# Altium PCB STC12CH340E_VCUT.PcbDoc (part 2 of 2)
Units mm, origin at the board's own origin, x right, y up, seen from the top; angles counter-clockwise.
Board outline 85.2 x 75.43 mm, 2 copper layers (Top Layer, Bottom Layer); 152 components, 56 nets, 712 pads, 192 vias.
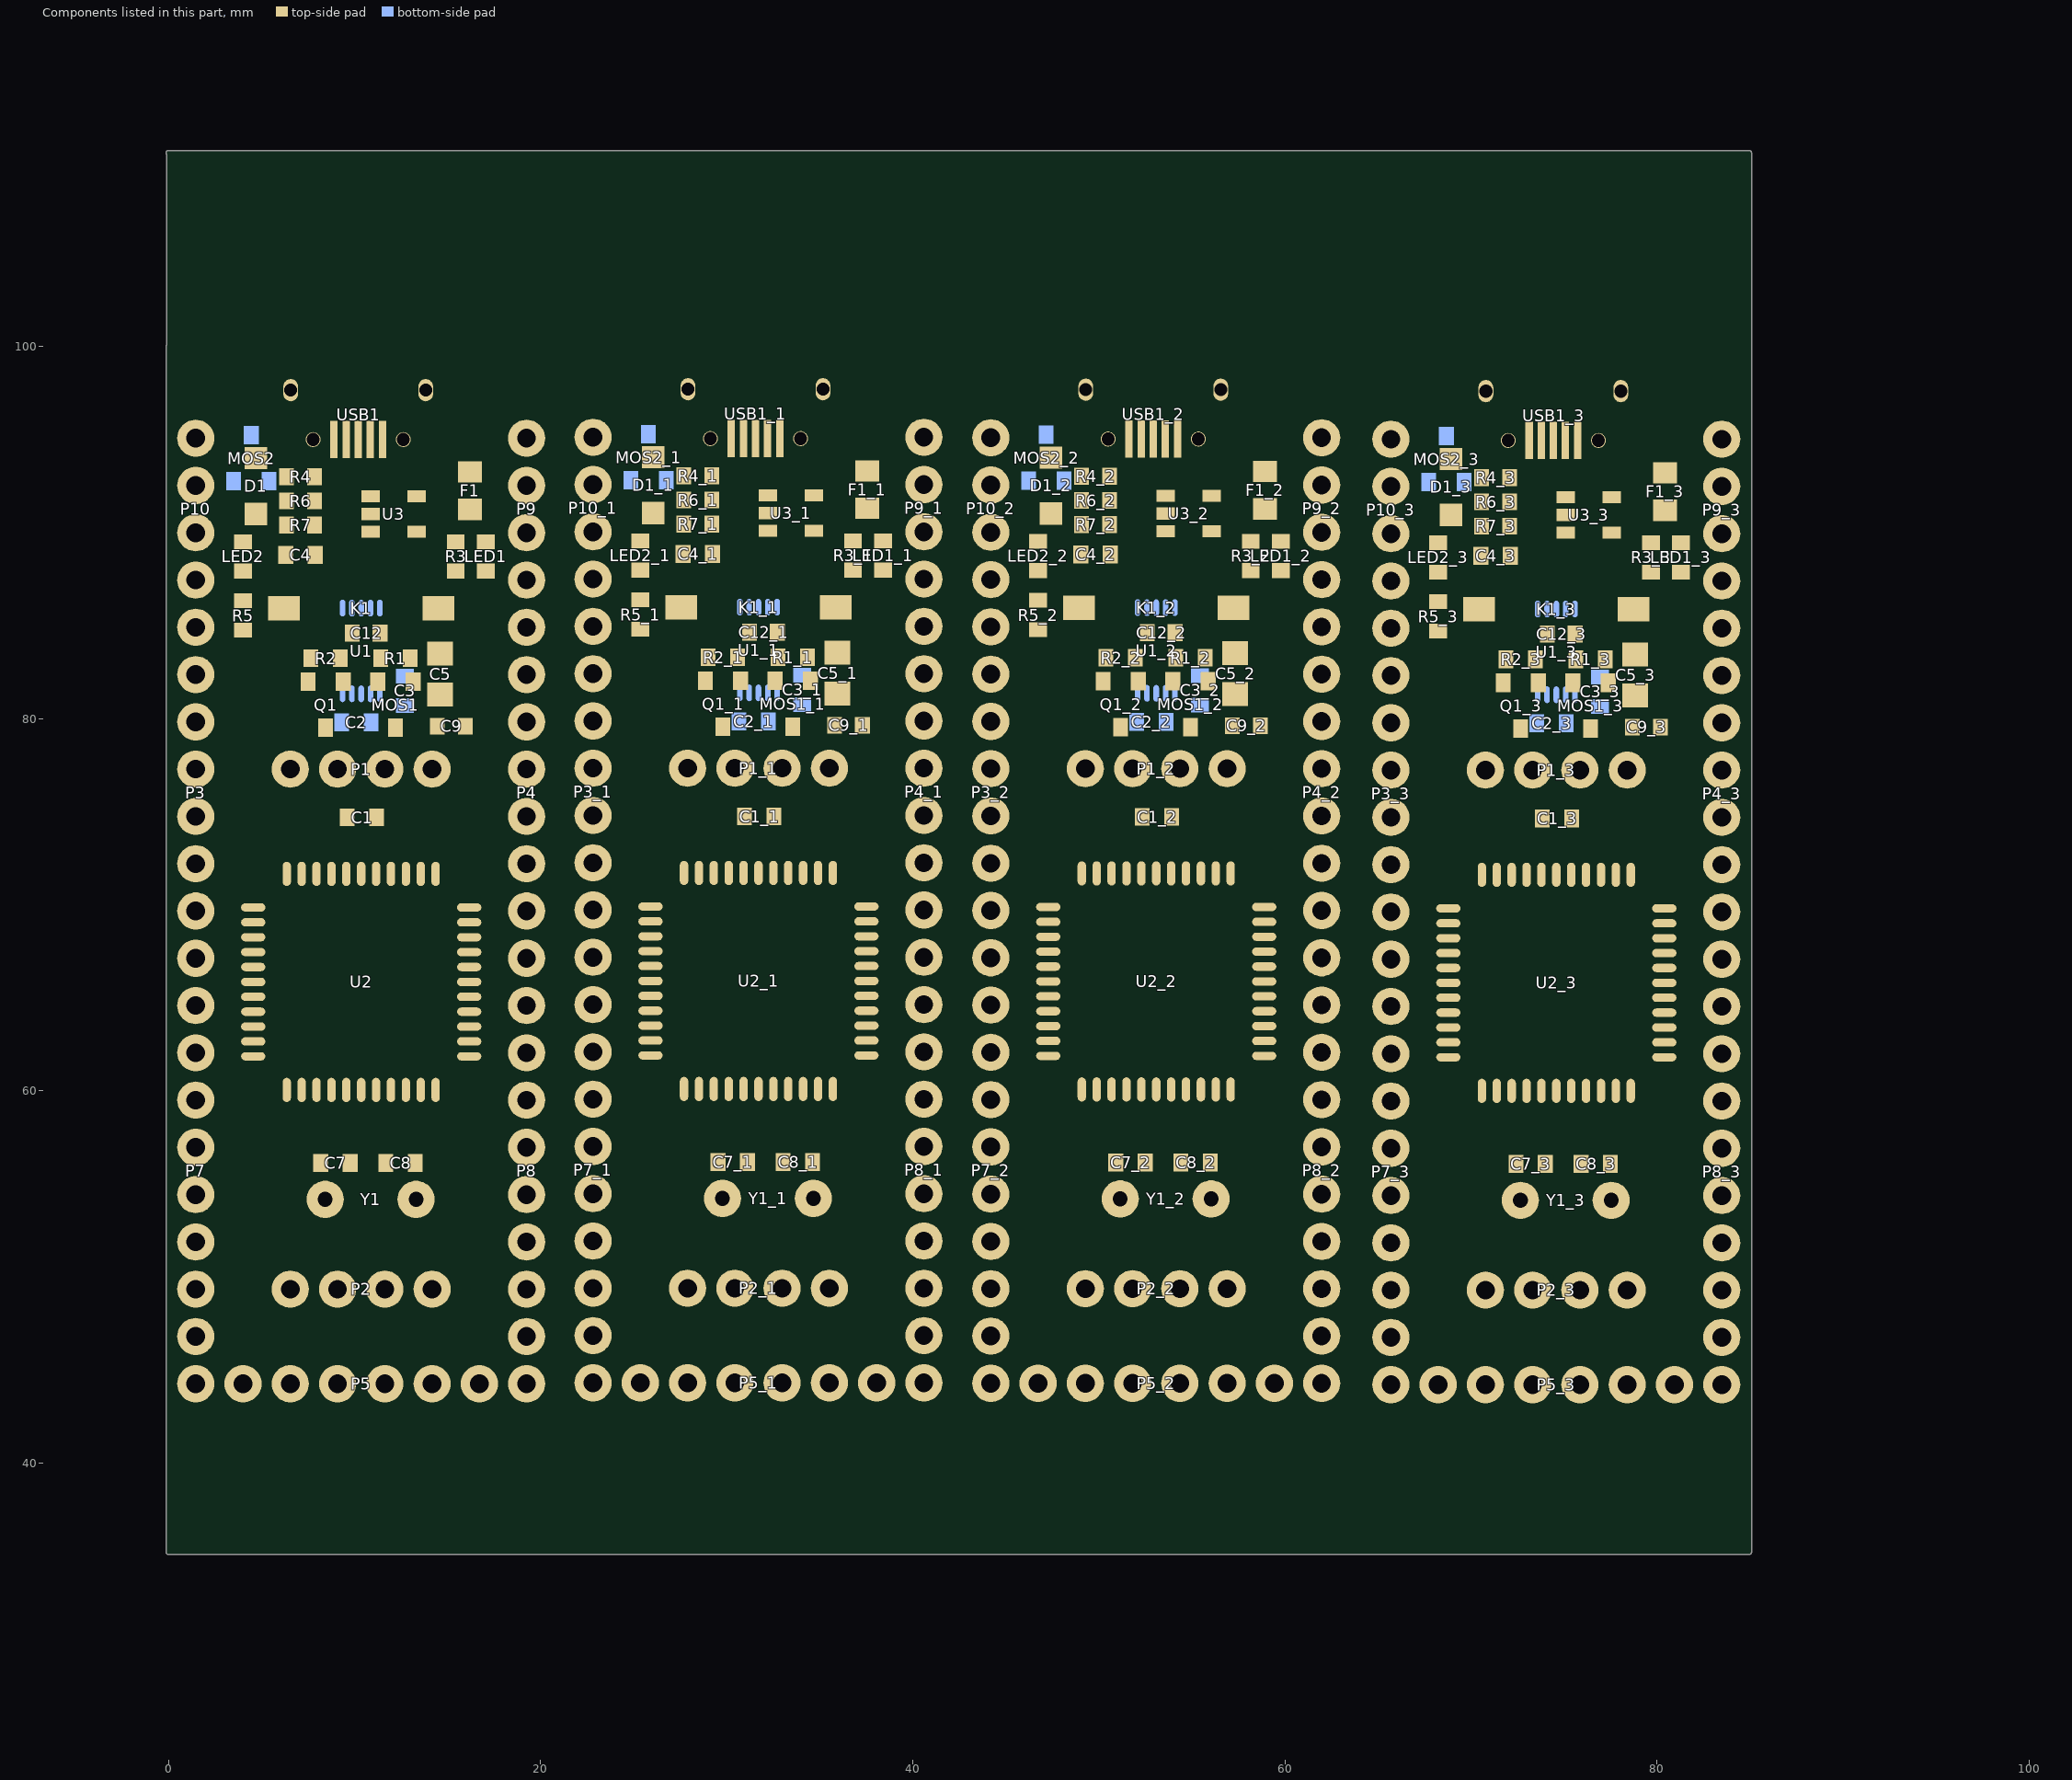
[diagram p2: the components of this part, seen from the top]

## Via types
v1: diameter 0.6, hole 0.3, Top Layer to Bottom Layer, 120 vias
v2: diameter 1, hole 0.5, Top Layer to Bottom Layer, 68 vias
v3: diameter 0.6, hole 0.152, Top Layer to Bottom Layer, 4 vias

## Nets (pads, with @x,y where several pads share a name; then routed paths per layer and width w, separated by ;. In a path a pad name is that pad's centre, name@x,y a point inside that pad or via, vN(x,y) a via of type N, cw(c..) or ccw(c..) an arc to the next point about the centre after c; other vN are vias at no path point) (continued)
copper on no net: | length 3112.7
  Top Layer w0.203: 9.4,81.985 8.925,81.985 7.66,83.25 6.475,83.25 6.21,83.515 6.21,85.926 11.026,85.926 13.335,88.235 13.335,90.05 ; 12.76,60.056 12.76,58.96 13.061,58.659 16.447,58.659 17.59,57.517 17.59,53.55 19.25,51.89 ; 30.75,82.035 30.275,82.035 29.01,83.3 27.825,83.3 27.56,83.565 27.56,85.976 32.376,85.976 34.685,88.285 34.685,90.1 ; 34.11,60.106 34.11,59.01 34.411,58.709 37.797,58.709 38.94,57.567 38.94,53.6 40.6,51.94 ; 52.125,82.01 51.65,82.01 50.385,83.275 49.2,83.275 48.935,83.54 48.935,85.951 53.751,85.951 56.06,88.26 56.06,90.075 ; 55.485,60.081 55.485,58.985 55.786,58.684 59.172,58.684 60.315,57.542 60.315,53.575 61.975,51.915 ; 73.625,81.935 73.15,81.935 71.885,83.2 70.7,83.2 70.435,83.465 70.435,85.876 75.251,85.876 77.56,88.185 77.56,90 ; 76.985,60.006 76.985,58.91 77.286,58.609 80.672,58.609 81.815,57.467 81.815,53.5 83.475,51.84
  Top Layer w0.254: 1.47,44.27 3.694,46.494 3.694,53.121 5.286,54.713 5.286,56.946 5.98,57.64 v1(7.23,57.64) ; 1.47,46.81 3.288,48.628 3.288,53.289 4.88,54.881 4.88,57.74 5.78,58.64 6.88,58.64 7.16,58.92 7.16,60.056 ; 1.47,49.35 2.881,50.761 2.881,53.457 4.474,55.05 4.474,58.17 6.36,60.056 ; 1.47,51.89 2.475,52.895 2.475,53.626 4.067,55.218 4.067,61.371 4.556,61.86 ; 1.47,54.43 1.84,54.43 3.627,56.217 3.627,62.387 3.9,62.66 4.556,62.66 ; 1.47,56.97 3.22,58.72 3.22,62.555 4.125,63.46 4.556,63.46 ; 1.47,59.51 2.814,60.854 2.814,62.723 3.48,63.389 3.48,64.04 3.7,64.26 4.556,64.26 ; 1.47,62.05 1.566,62.05 3.074,63.558 3.074,64.615 3.519,65.06 4.556,65.06 ; 1.47,64.59 3.54,66.66 4.556,66.66 ; 1.47,67.13 2.6,68.26 4.556,68.26 ; 1.47,69.67 2.08,69.06 4.556,69.06 ; 1.47,72.21 3.82,69.86 4.556,69.86 ; 1.47,74.75 4.556,71.664 6.36,71.664 ; 1.47,77.29 2.749,76.011 2.749,74.54 4.649,72.64 6.88,72.64 7.16,72.36 7.16,71.664 ; 1.47,79.83 3.156,78.144 3.156,74.708 4.818,73.046 7.474,73.046 7.96,72.56 7.96,71.664 ; 1.47,82.37 3.562,80.278 3.562,74.877 4.986,73.453 8.367,73.453 8.76,73.06 8.76,71.664 ; 1.47,84.91 2.775,83.605 2.775,81.64 3.969,80.446 3.969,75.045 5.154,73.859 8.761,73.859 9.56,73.06 9.56,71.664 ; 4.01,44.27 4.1,44.361 ; v1(4.01,82.01) 4.01,84.755 ; 4.01,86.335 4.01,87.93 ; 4.199,44.459 4.1,44.361 ; 4.556,67.46 14.66,67.46 v1(14.98,67.14) ; v1(4.68,52.44) 4.68,46.14 6.55,44.27 ; 5.017,87.3 v1(10.9,87.3) ; v1(5.259,51.64) 5.259,46.77 6.48,45.549 7.811,45.549 9.09,44.27 8.856,44.27 ; v1(5.88,69.14) 6.88,70.14 9.88,70.14 10.36,70.62 10.36,71.664 ; v1(5.98,56.64) 5.693,56.353 5.693,54.545 4.1,52.952 4.1,44.361 ; v1(6.2,82.4) 6.2,81.995 6.485,81.71 7.225,81.71 7.5,81.985 ; 6.31,88.8 7.11,89.6 10.415,89.6 10.865,90.05 ; 6.35,90.4 6.55,90.4 7.85,91.7 8.1,91.95 10.865,91.95 ; 6.35,91.7 6.55,91.7 7.85,93 ; v1(6.48,65.14) 7.2,65.86 16.164,65.86 ; 7.96,60.056 7.96,53.882 8.174,53.668 ; 8.76,60.056 8.76,57.86 9.48,57.14 12.66,57.14 13.054,56.746 13.054,53.668 ; v1(9.025,56.745) 9.63,56.14 9.77,56.14 11.69,56.14 ; 9.61,74.7 v1(9.61,75.41) ; v1(9.98,58.39) 10.36,58.77 10.36,60.056 ; v1(10,93.5) 10.2,93.7 10.2,95 ; v1(10.85,93.55) 10.85,95 ; 11.16,60.056 11.16,58.56 11.848,57.872 16.121,57.872 16.802,57.191 16.802,49.258 19.25,46.81 ; 11.375,84.595 11.495,84.595 v1(12.4,85.5) 12.4,86.465 14.13,88.196 14.13,91.63 14.2,91.7 ; 11.96,60.056 11.96,58.66 12.342,58.278 16.29,58.278 17.209,57.359 17.209,51.391 19.25,49.35 ; 11.96,71.664 11.96,73.12 12.493,73.653 14.625,73.653 16.751,75.78 16.751,82.411 19.25,84.91 ; 12.76,71.664 12.76,73.02 12.986,73.246 14.793,73.246 17.158,75.611 17.158,80.278 19.25,82.37 ; 13.56,60.056 13.56,59.36 13.88,59.04 16.605,59.04 17.971,57.675 17.971,55.709 19.25,54.43 18.848,54.43 ; 13.56,71.664 13.56,72.52 13.88,72.84 14.961,72.84 17.564,75.443 17.564,78.144 19.25,79.83 ; 14.36,60.056 16.164,60.056 19.25,56.97 ; 14.36,71.664 17.971,75.275 17.971,76.011 19.25,77.29 ; v1(15.3,87.3) 15.44,87.44 15.44,87.93 ; v1(15.98,56.94) 16.396,56.524 16.396,47.124 19.25,44.27 ; 16.164,61.86 18.514,59.51 19.25,59.51 ; 16.164,62.66 18.64,62.66 19.25,62.05 ; 16.164,63.46 18.12,63.46 19.25,64.59 ; 16.164,65.06 v1(17.16,65.06) ; 16.164,66.66 17.21,66.66 v1(17.48,66.39) ; 16.164,67.46 18.92,67.46 19.25,67.13 ; 16.164,68.26 17.84,68.26 19.25,69.67 ; 16.164,69.06 17.1,69.06 17.28,69.24 17.28,71.84 17.65,72.21 19.25,72.21 ; 16.164,69.86 16.164,71.664 19.25,74.75 ; 22.82,44.32 25.044,46.544 25.044,53.171 26.636,54.763 26.636,56.996 27.33,57.69 v1(28.58,57.69) ; 22.82,46.86 24.638,48.678 24.638,53.339 26.23,54.931 26.23,57.79 27.13,58.69 28.23,58.69 28.51,58.97 28.51,60.106 ; 22.82,49.4 24.231,50.811 24.231,53.507 25.824,55.1 25.824,58.22 27.71,60.106 ; 22.82,51.94 23.825,52.945 23.825,53.676 25.417,55.268 25.417,61.421 25.906,61.91 ; 22.82,54.48 23.19,54.48 24.977,56.267 24.977,62.437 25.25,62.71 25.906,62.71 ; 22.82,57.02 24.57,58.77 24.57,62.605 25.475,63.51 25.906,63.51 ; 22.82,59.56 24.164,60.904 24.164,62.773 24.83,63.439 24.83,64.09 25.05,64.31 25.906,64.31 ; 22.82,62.1 22.916,62.1 24.424,63.608 24.424,64.665 24.869,65.11 25.906,65.11 ; 22.82,64.64 24.89,66.71 25.906,66.71 ; 22.82,67.18 23.95,68.31 25.906,68.31 ; 22.82,69.72 23.43,69.11 25.906,69.11 ; 22.82,72.26 25.17,69.91 25.906,69.91 ; 22.82,74.8 25.906,71.714 27.71,71.714 ; 22.82,77.34 24.099,76.061 24.099,74.59 25.999,72.69 28.23,72.69 28.51,72.41 28.51,71.714 ; 22.82,79.88 24.506,78.194 24.506,74.758 26.168,73.096 28.824,73.096 29.31,72.61 29.31,71.714 ; 22.82,82.42 24.912,80.328 24.912,74.927 26.336,73.503 29.717,73.503 30.11,73.11 30.11,71.714 ; 22.82,84.96 24.125,83.655 24.125,81.69 25.319,80.496 25.319,75.095 26.504,73.909 30.111,73.909 30.91,73.11 30.91,71.714 ; 25.36,44.32 25.451,44.411 ; v1(25.36,82.06) 25.36,84.805 ; 25.36,86.385 25.36,87.98 ; 25.549,44.509 25.451,44.411 ; 25.906,67.51 36.01,67.51 v1(36.33,67.19) ; v1(26.03,52.49) 26.03,46.19 27.9,44.32 ; 26.367,87.35 v1(32.25,87.35) ; v1(26.609,51.69) 26.609,46.82 27.83,45.599 29.161,45.599 30.44,44.32 30.206,44.32 ; v1(27.23,69.19) 28.23,70.19 31.23,70.19 31.71,70.67 31.71,71.714 ; v1(27.33,56.69) 27.043,56.403 27.043,54.595 25.451,53.002 25.451,44.411 ; v1(27.55,82.45) 27.55,82.045 27.835,81.76 28.575,81.76 28.85,82.035 ; 27.66,88.85 28.46,89.65 31.765,89.65 32.215,90.1 ; 27.7,90.45 27.9,90.45 29.2,91.75 29.45,92 32.215,92 ; 27.7,91.75 27.9,91.75 29.2,93.05 ; v1(27.83,65.19) 28.55,65.91 37.514,65.91 ; 29.31,60.106 29.31,53.932 29.524,53.718 ; 30.11,60.106 30.11,57.91 30.83,57.19 34.01,57.19 34.404,56.796 34.404,53.718 ; v1(30.375,56.795) 30.98,56.19 31.12,56.19 33.04,56.19 ; 30.96,74.75 v1(30.96,75.46) ; v1(31.33,58.44) 31.71,58.82 31.71,60.106 ; v1(31.35,93.55) 31.55,93.75 31.55,95.05 ; v1(32.2,93.6) 32.2,95.05 ; 32.51,60.106 32.51,58.61 33.198,57.922 37.471,57.922 38.152,57.241 38.152,49.308 40.6,46.86 ; 32.725,84.645 32.845,84.645 v1(33.75,85.55) 33.75,86.515 35.48,88.246 35.48,91.68 35.55,91.75 ; 33.31,60.106 33.31,58.71 33.692,58.328 37.64,58.328 38.559,57.409 38.559,51.441 40.6,49.4 ; 33.31,71.714 33.31,73.17 33.843,73.703 35.975,73.703 38.101,75.83 38.101,82.461 40.6,84.96 ; 34.11,71.714 34.11,73.07 34.336,73.296 36.143,73.296 38.508,75.661 38.508,80.328 40.6,82.42 ; 34.91,60.106 34.91,59.41 35.23,59.09 37.955,59.09 39.321,57.725 39.321,55.759 40.6,54.48 40.198,54.48 ; 34.91,71.714 34.91,72.57 35.23,72.89 36.311,72.89 38.914,75.493 38.914,78.194 40.6,79.88 ; 35.71,60.106 37.514,60.106 40.6,57.02 ; 35.71,71.714 39.321,75.325 39.321,76.061 40.6,77.34 ; v1(36.65,87.35) 36.79,87.49 36.79,87.98 ; v1(37.33,56.99) 37.746,56.574 37.746,47.174 40.6,44.32 ; 37.514,61.91 39.864,59.56 40.6,59.56 ; 37.514,62.71 39.99,62.71 40.6,62.1 ; 37.514,63.51 39.47,63.51 40.6,64.64 ; 37.514,65.11 v1(38.51,65.11) ; 37.514,66.71 38.56,66.71 v1(38.83,66.44) ; 37.514,67.51 40.27,67.51 40.6,67.18 ; 37.514,68.31 39.19,68.31 40.6,69.72 ; 37.514,69.11 38.45,69.11 38.63,69.29 38.63,71.89 39,72.26 40.6,72.26 ; 37.514,69.91 37.514,71.714 40.6,74.8 ; 44.195,44.295 46.419,46.519 46.419,53.146 48.011,54.738 48.011,56.971 48.705,57.665 v1(49.955,57.665) ; 44.195,46.835 46.013,48.653 46.013,53.314 47.605,54.906 47.605,57.765 48.505,58.665 49.605,58.665 49.885,58.945 49.885,60.081 ; 44.195,49.375 45.606,50.786 45.606,53.482 47.199,55.075 47.199,58.195 49.085,60.081 ; 44.195,51.915 45.2,52.92 45.2,53.651 46.792,55.243 46.792,61.396 47.281,61.885 ; 44.195,54.455 44.565,54.455 46.352,56.242 46.352,62.412 46.625,62.685 47.281,62.685 ; 44.195,56.995 45.945,58.745 45.945,62.58 46.85,63.485 47.281,63.485 ; 44.195,59.535 45.539,60.879 45.539,62.748 46.205,63.414 46.205,64.065 46.425,64.285 47.281,64.285 ; 44.195,62.075 44.291,62.075 45.799,63.583 45.799,64.64 46.244,65.085 47.281,65.085 ; 44.195,64.615 46.265,66.685 47.281,66.685 ; 44.195,67.155 45.325,68.285 47.281,68.285 ; 44.195,69.695 44.805,69.085 47.281,69.085 ; 44.195,72.235 46.545,69.885 47.281,69.885 ; 44.195,74.775 47.281,71.689 49.085,71.689 ; 44.195,77.315 45.474,76.036 45.474,74.565 47.374,72.665 49.605,72.665 49.885,72.385 49.885,71.689 ; 44.195,79.855 45.881,78.169 45.881,74.733 47.543,73.071 50.199,73.071 50.685,72.585 50.685,71.689 ; 44.195,82.395 46.287,80.303 46.287,74.902 47.711,73.478 51.092,73.478 51.485,73.085 51.485,71.689 ; 44.195,84.935 45.5,83.63 45.5,81.665 46.694,80.471 46.694,75.07 47.879,73.884 51.486,73.884 52.285,73.085 52.285,71.689 ; 46.735,44.295 46.825,44.385 ; v1(46.735,82.035) 46.735,84.78 ; 46.735,86.36 46.735,87.955 ; 46.924,44.484 46.825,44.385 ; 47.281,67.485 57.385,67.485 v1(57.705,67.165) ; v1(47.405,52.465) 47.405,46.165 49.275,44.295 ; 47.742,87.325 v1(53.625,87.325) ; v1(47.984,51.665) 47.984,46.795 49.205,45.574 50.536,45.574 51.815,44.295 51.581,44.295 ; v1(48.605,69.165) 49.605,70.165 52.605,70.165 53.085,70.645 53.085,71.689 ; v1(48.705,56.665) 48.418,56.378 48.418,54.57 46.825,52.977 46.825,44.385 ; v1(48.925,82.425) 48.925,82.02 49.21,81.735 49.95,81.735 50.225,82.01 ; 49.035,88.825 49.835,89.625 53.14,89.625 53.59,90.075 ; 49.075,90.425 49.275,90.425 50.575,91.725 50.825,91.975 53.59,91.975 ; 49.075,91.725 49.275,91.725 50.575,93.025 ; v1(49.205,65.165) 49.925,65.885 58.889,65.885 ; 50.685,60.081 50.685,53.907 50.899,53.693 ; 51.485,60.081 51.485,57.885 52.205,57.165 55.385,57.165 55.779,56.771 55.779,53.693 ; v1(51.75,56.77) 52.355,56.165 52.495,56.165 54.415,56.165 ; 52.335,74.725 v1(52.335,75.435) ; v1(52.705,58.415) 53.085,58.795 53.085,60.081 ; v1(52.725,93.525) 52.925,93.725 52.925,95.025 ; v1(53.575,93.575) 53.575,95.025 ; 53.885,60.081 53.885,58.585 54.573,57.897 58.846,57.897 59.527,57.216 59.527,49.283 61.975,46.835 ; 54.1,84.62 54.22,84.62 v1(55.125,85.525) 55.125,86.49 56.855,88.221 56.855,91.655 56.925,91.725 ; 54.685,60.081 54.685,58.685 55.067,58.303 59.015,58.303 59.934,57.384 59.934,51.416 61.975,49.375 ; 54.685,71.689 54.685,73.145 55.218,73.678 57.35,73.678 59.476,75.805 59.476,82.436 61.975,84.935 ; 55.485,71.689 55.485,73.045 55.711,73.271 57.518,73.271 59.883,75.636 59.883,80.303 61.975,82.395 ; 56.285,60.081 56.285,59.385 56.605,59.065 59.33,59.065 60.696,57.7 60.696,55.734 61.975,54.455 61.573,54.455 ; 56.285,71.689 56.285,72.545 56.605,72.865 57.686,72.865 60.289,75.468 60.289,78.169 61.975,79.855 ; 57.085,60.081 58.889,60.081 61.975,56.995 ; 57.085,71.689 60.696,75.3 60.696,76.036 61.975,77.315 ; v1(58.025,87.325) 58.165,87.465 58.165,87.955 ; v1(58.705,56.965) 59.121,56.549 59.121,47.149 61.975,44.295 ; 58.889,61.885 61.239,59.535 61.975,59.535 ; 58.889,62.685 61.365,62.685 61.975,62.075 ; 58.889,63.485 60.845,63.485 61.975,64.615 ; 58.889,65.085 v1(59.885,65.085) ; 58.889,66.685 59.935,66.685 v1(60.205,66.415) ; 58.889,67.485 61.645,67.485 61.975,67.155 ; 58.889,68.285 60.565,68.285 61.975,69.695 ; 58.889,69.085 59.825,69.085 60.005,69.265 60.005,71.865 60.375,72.235 61.975,72.235 ; 58.889,69.885 58.889,71.689 61.975,74.775 ; 65.695,44.22 67.919,46.444 67.919,53.071 69.511,54.663 69.511,56.896 70.205,57.59 v1(71.455,57.59) ; 65.695,46.76 67.513,48.578 67.513,53.239 69.105,54.831 69.105,57.69 70.005,58.59 71.105,58.59 71.385,58.87 71.385,60.006 ; 65.695,49.3 67.106,50.711 67.106,53.407 68.699,55 68.699,58.12 70.585,60.006 ; 65.695,51.84 66.7,52.845 66.7,53.576 68.292,55.168 68.292,61.321 68.781,61.81 ; 65.695,54.38 66.065,54.38 67.852,56.167 67.852,62.337 68.125,62.61 68.781,62.61 ; 65.695,56.92 67.445,58.67 67.445,62.505 68.35,63.41 68.781,63.41 ; 65.695,59.46 67.039,60.804 67.039,62.673 67.705,63.339 67.705,63.99 67.925,64.21 68.781,64.21 ; 65.695,62 65.791,62 67.299,63.508 67.299,64.565 67.744,65.01 68.781,65.01 ; 65.695,64.54 67.765,66.61 68.781,66.61 ; 65.695,67.08 66.825,68.21 68.781,68.21 ; 65.695,69.62 66.305,69.01 68.781,69.01 ; 65.695,72.16 68.045,69.81 68.781,69.81 ; 65.695,74.7 68.781,71.614 70.585,71.614 ; 65.695,77.24 66.974,75.961 66.974,74.49 68.874,72.59 71.105,72.59 71.385,72.31 71.385,71.614 ; 65.695,79.78 67.381,78.094 67.381,74.658 69.043,72.996 71.699,72.996 72.185,72.51 72.185,71.614 ; 65.695,82.32 67.787,80.228 67.787,74.827 69.211,73.403 72.592,73.403 72.985,73.01 72.985,71.614 ; 65.695,84.86 67,83.555 67,81.59 68.194,80.396 68.194,74.995 69.379,73.809 72.986,73.809 73.785,73.01 73.785,71.614 ; 68.235,44.22 68.325,44.311 ; v1(68.235,81.96) 68.235,84.705 ; 68.235,86.285 68.235,87.88 ; 68.424,44.409 68.325,44.311 ; 68.781,67.41 78.885,67.41 v1(79.205,67.09) ; v1(68.905,52.39) 68.905,46.09 70.775,44.22 ; 69.242,87.25 v1(75.125,87.25) ; v1(69.484,51.59) 69.484,46.72 70.705,45.499 72.036,45.499 73.315,44.22 73.081,44.22 ; v1(70.105,69.09) 71.105,70.09 74.105,70.09 74.585,70.57 74.585,71.614 ; v1(70.205,56.59) 69.918,56.303 69.918,54.495 68.325,52.902 68.325,44.311 ; v1(70.425,82.35) 70.425,81.945 70.71,81.66 71.45,81.66 71.725,81.935 ; 70.535,88.75 71.335,89.55 74.64,89.55 75.09,90 ; 70.575,90.35 70.775,90.35 72.075,91.65 72.325,91.9 75.09,91.9 ; 70.575,91.65 70.775,91.65 72.075,92.95 ; v1(70.705,65.09) 71.425,65.81 80.389,65.81 ; 72.185,60.006 72.185,53.832 72.399,53.618 ; 72.985,60.006 72.985,57.81 73.705,57.09 76.885,57.09 77.279,56.696 77.279,53.618 ; v1(73.25,56.695) 73.855,56.09 73.995,56.09 75.915,56.09 ; 73.835,74.65 v1(73.835,75.36) ; v1(74.205,58.34) 74.585,58.72 74.585,60.006 ; v1(74.225,93.45) 74.425,93.65 74.425,94.95 ; v1(75.075,93.5) 75.075,94.95 ; 75.385,60.006 75.385,58.51 76.073,57.822 80.346,57.822 81.027,57.141 81.027,49.208 83.475,46.76 ; 75.6,84.545 75.72,84.545 v1(76.625,85.45) 76.625,86.415 78.355,88.146 78.355,91.58 78.425,91.65 ; 76.185,60.006 76.185,58.61 76.567,58.228 80.515,58.228 81.434,57.309 81.434,51.341 83.475,49.3 ; 76.185,71.614 76.185,73.07 76.718,73.603 78.85,73.603 80.976,75.73 80.976,82.361 83.475,84.86 ; 76.985,71.614 76.985,72.97 77.211,73.196 79.018,73.196 81.383,75.561 81.383,80.228 83.475,82.32 ; 77.785,60.006 77.785,59.31 78.105,58.99 80.83,58.99 82.196,57.625 82.196,55.659 83.475,54.38 83.073,54.38 ; 77.785,71.614 77.785,72.47 78.105,72.79 79.186,72.79 81.789,75.393 81.789,78.094 83.475,79.78 ; 78.585,60.006 80.389,60.006 83.475,56.92 ; 78.585,71.614 82.196,75.225 82.196,75.961 83.475,77.24 ; v1(79.525,87.25) 79.665,87.39 79.665,87.88 ; v1(80.205,56.89) 80.621,56.474 80.621,47.074 83.475,44.22 ; 80.389,61.81 82.739,59.46 83.475,59.46 ; 80.389,62.61 82.865,62.61 83.475,62 ; 80.389,63.41 82.345,63.41 83.475,64.54 ; 80.389,65.01 v1(81.385,65.01) ; 80.389,66.61 81.435,66.61 v1(81.705,66.34) ; 80.389,67.41 83.145,67.41 83.475,67.08 ; 80.389,68.21 82.065,68.21 83.475,69.62 ; 80.389,69.01 81.325,69.01 81.505,69.19 81.505,71.79 81.875,72.16 83.475,72.16 ; 80.389,69.81 80.389,71.614 83.475,74.7
  Top Layer w0.381: 4.01,89.51 4.01,89.507 5.017,88.5 5.017,87.3 5.017,81.283 6.55,79.75 6.55,77.29 9.09,77.29 ; 4.7,91 4.7,90.41 6.31,88.8 ; 6.4,49.5 v1(6.4,50.82) ; v2@6.48,68.14 v2(6.7,68.36) 6.865,68.525 9.865,68.525 11.16,69.82 11.16,71.664 11.16,74.67 ; 6.55,49.35 9.09,49.35 ; 8.45,79.515 9.735,80.8 11.965,80.8 13.15,81.985 12.99,82.145 12.99,83.25 ; v3(8.7,84.595) 9.875,84.595 ; 9.24,83.25 11.41,83.25 ; v1(9.4,58.92) 9.56,59.08 9.56,60.056 v2(9.56,61.26) ; 11.45,82.185 11.25,81.985 11.25,83.09 11.41,83.25 ; 15.44,89.51 17.05,89.51 ; 16.2,91.247 15.247,91.247 14.6,90.6 14.6,88.001 13.317,86.718 13.317,85.157 11.41,83.25 ; 25.36,89.56 25.36,89.557 26.367,88.55 26.367,87.35 26.367,81.333 27.9,79.8 27.9,77.34 30.44,77.34 ; 26.05,91.05 26.05,90.46 27.66,88.85 ; 27.75,49.55 v1(27.75,50.87) ; v2@27.83,68.19 v2(28.05,68.41) 28.215,68.575 31.215,68.575 32.51,69.87 32.51,71.714 32.51,74.72 ; 27.9,49.4 30.44,49.4 ; 29.8,79.565 31.085,80.85 33.315,80.85 34.5,82.035 34.34,82.195 34.34,83.3 ; v3(30.05,84.645) 31.225,84.645 ; 30.59,83.3 32.76,83.3 ; v1(30.75,58.97) 30.91,59.13 30.91,60.106 v2(30.91,61.31) ; 32.8,82.235 32.6,82.035 32.6,83.14 32.76,83.3 ; 36.79,89.56 38.4,89.56 ; 37.55,91.297 36.597,91.297 35.95,90.65 35.95,88.051 34.667,86.768 34.667,85.207 32.76,83.3 ; 46.735,89.535 46.735,89.532 47.742,88.525 47.742,87.325 47.742,81.308 49.275,79.775 49.275,77.315 51.815,77.315 ; 47.425,91.025 47.425,90.435 49.035,88.825 ; 49.125,49.525 v1(49.125,50.845) ; v2@49.205,68.165 v2(49.425,68.385) 49.59,68.55 52.59,68.55 53.885,69.845 53.885,71.689 53.885,74.695 ; 49.275,49.375 51.815,49.375 ; 51.175,79.54 52.46,80.825 54.69,80.825 55.875,82.01 55.715,82.17 55.715,83.275 ; v3(51.425,84.62) 52.6,84.62 ; 51.965,83.275 54.135,83.275 ; v1(52.125,58.945) 52.285,59.105 52.285,60.081 v2(52.285,61.285) ; 54.175,82.21 53.975,82.01 53.975,83.115 54.135,83.275 ; 58.165,89.535 59.775,89.535 ; 58.925,91.272 57.972,91.272 57.325,90.625 57.325,88.026 56.042,86.743 56.042,85.182 54.135,83.275 ; 68.235,89.46 68.235,89.457 69.242,88.45 69.242,87.25 69.242,81.233 70.775,79.7 70.775,77.24 73.315,77.24 ; 68.925,90.95 68.925,90.36 70.535,88.75 ; 70.625,49.45 v1(70.625,50.77) ; v2@70.705,68.09 v2(70.925,68.31) 71.09,68.475 74.09,68.475 75.385,69.77 75.385,71.614 75.385,74.62 ; 70.775,49.3 73.315,49.3 ; 72.675,79.465 73.96,80.75 76.19,80.75 77.375,81.935 77.215,82.095 77.215,83.2 ; v3(72.925,84.545) 74.1,84.545 ; 73.465,83.2 75.635,83.2 ; v1(73.625,58.87) 73.785,59.03 73.785,60.006 v2(73.785,61.21) ; 75.675,82.135 75.475,81.935 75.475,83.04 75.635,83.2 ; 79.665,89.46 81.275,89.46 ; 80.425,91.197 79.472,91.197 78.825,90.55 78.825,87.951 77.542,86.668 77.542,85.107 75.635,83.2
  Top Layer w0.508: 11.19,74.7 14.6,74.7 16,76.1 16,78.05 14.45,79.6 14.45,81.15 14.6,81.3 16.7,83.4 16.7,84.945 18.3,86.545 ; 12.2,79.515 14.255,79.515 ; 19.25,87.245 19.25,87.45 ; 32.54,74.75 35.95,74.75 37.35,76.15 37.35,78.1 35.8,79.65 35.8,81.2 35.95,81.35 38.05,83.45 38.05,84.995 39.65,86.595 ; 33.55,79.565 35.605,79.565 ; 40.6,87.295 40.6,87.5 ; 53.915,74.725 57.325,74.725 58.725,76.125 58.725,78.075 57.175,79.625 57.175,81.175 57.325,81.325 59.425,83.425 59.425,84.97 61.025,86.57 ; 54.925,79.54 56.98,79.54 ; 61.975,87.27 61.975,87.475 ; 75.415,74.65 78.825,74.65 80.225,76.05 80.225,78 78.675,79.55 78.675,81.1 78.825,81.25 80.925,83.35 80.925,84.895 82.525,86.495 ; 76.425,79.465 78.48,79.465 ; 83.475,87.195 83.475,87.4
  Top Layer w0.762: 1.47,95.07 2.54,94 4.7,94 ; 14.51,85.926 v2(14.51,84.8) 14.51,83.59 14.6,83.5 ; 15.95,79.6 v1(15.95,80.35) ; v1(16.725,86.395) 16.725,87.605 ; 22.82,95.12 23.89,94.05 26.05,94.05 ; 35.86,85.976 v2(35.86,84.85) 35.86,83.64 35.95,83.55 ; 37.3,79.65 v1(37.3,80.4) ; v1(38.075,86.445) 38.075,87.655 ; 44.195,95.095 45.265,94.025 47.425,94.025 ; 57.235,85.951 v2(57.235,84.825) 57.235,83.615 57.325,83.525 ; 58.675,79.625 v1(58.675,80.375) ; v1(59.45,86.42) 59.45,87.63 ; 65.695,95.02 66.765,93.95 68.925,93.95 ; 78.735,85.876 v2(78.735,84.75) 78.735,83.54 78.825,83.45 ; 80.175,79.55 v1(80.175,80.3) ; v1(80.95,86.345) 80.95,87.555
  Bottom Layer w0.254: 1.47,62.05 3.156,63.736 3.156,82.306 3.855,83.005 4.1,83.005 ; 1.47,64.59 2.749,65.869 2.749,82.749 3.505,83.505 9.795,83.505 10.36,82.94 10.36,81.34 ; v1(4.01,82.01) 4.01,82.915 4.1,83.005 ; v1(4.556,65.86) 4.556,53.383 5.259,52.68 v1(5.259,51.64) ; v1(4.68,52.44) 3.977,53.143 3.977,67.237 v1(5.88,69.14) ; v1(5.98,56.64) 5.7,56.92 5.7,64.36 v1(6.48,65.14) ; v1(7.23,57.64) 9.23,57.64 v1(9.98,58.39) ; 9.09,77.29 9.36,77.56 9.36,81.34 ; 9.36,85.94 9.36,92.86 v1(10,93.5) ; 9.86,81.34 9.86,82.44 9.295,83.005 4.1,83.005 ; 9.86,85.94 9.86,92.541 10.85,93.531 v1(10.85,93.55) ; 10.86,81.34 10.86,82.16 10.99,82.29 12.7,82.29 12.4,82.59 v1(12.4,85.5) ; v1(10.9,87.3) v1(15.3,87.3) ; 11.63,44.27 13.316,45.956 16.18,45.956 16.78,46.556 v1(16.78,64.24) ; 14.17,44.27 15.449,45.549 16.58,45.549 17.431,46.4 17.431,64.789 v1(17.16,65.06) ; v1(14.98,67.14) 15.98,66.14 v1(15.98,56.94) ; 16.71,44.27 17.837,45.397 17.837,66.033 v1(17.48,66.39) ; 22.82,62.1 24.506,63.786 24.506,82.356 25.205,83.055 25.45,83.055 ; 22.82,64.64 24.099,65.919 24.099,82.799 24.855,83.555 31.145,83.555 31.71,82.99 31.71,81.39 ; v1(25.36,82.06) 25.36,82.965 25.45,83.055 ; v1(25.906,65.91) 25.906,53.433 26.609,52.73 v1(26.609,51.69) ; v1(26.03,52.49) 25.327,53.193 25.327,67.287 v1(27.23,69.19) ; v1(27.33,56.69) 27.05,56.97 27.05,64.41 v1(27.83,65.19) ; v1(28.58,57.69) 30.58,57.69 v1(31.33,58.44) ; 30.44,77.34 30.71,77.61 30.71,81.39 ; 30.71,85.99 30.71,92.91 v1(31.35,93.55) ; 31.21,81.39 31.21,82.49 30.645,83.055 25.45,83.055 ; 31.21,85.99 31.21,92.591 32.2,93.581 v1(32.2,93.6) ; 32.21,81.39 32.21,82.21 32.34,82.34 34.05,82.34 33.75,82.64 v1(33.75,85.55) ; v1(32.25,87.35) v1(36.65,87.35) ; 32.98,44.32 34.666,46.006 37.53,46.006 38.13,46.606 v1(38.13,64.29) ; 35.52,44.32 36.799,45.599 37.93,45.599 38.781,46.45 38.781,64.839 v1(38.51,65.11) ; v1(36.33,67.19) 37.33,66.19 v1(37.33,56.99) ; 38.06,44.32 39.187,45.447 39.187,66.083 v1(38.83,66.44) ; 44.195,62.075 45.881,63.761 45.881,82.331 46.58,83.03 46.825,83.03 ; 44.195,64.615 45.474,65.894 45.474,82.774 46.23,83.53 52.52,83.53 53.085,82.965 53.085,81.365 ; v1(46.735,82.035) 46.735,82.94 46.825,83.03 ; v1(47.281,65.885) 47.281,53.408 47.984,52.705 v1(47.984,51.665) ; v1(47.405,52.465) 46.702,53.168 46.702,67.262 v1(48.605,69.165) ; v1(48.705,56.665) 48.425,56.945 48.425,64.385 v1(49.205,65.165) ; v1(49.955,57.665) 51.955,57.665 v1(52.705,58.415) ; 51.815,77.315 52.085,77.585 52.085,81.365 ; 52.085,85.965 52.085,92.885 v1(52.725,93.525) ; 52.585,81.365 52.585,82.465 52.02,83.03 46.825,83.03 ; 52.585,85.965 52.585,92.566 53.575,93.556 v1(53.575,93.575) ; 53.585,81.365 53.585,82.185 53.715,82.315 55.425,82.315 55.125,82.615 v1(55.125,85.525) ; v1(53.625,87.325) v1(58.025,87.325) ; 54.355,44.295 56.041,45.981 58.905,45.981 59.505,46.581 v1(59.505,64.265) ; 56.895,44.295 58.174,45.574 59.305,45.574 60.156,46.425 60.156,64.814 v1(59.885,65.085) ; v1(57.705,67.165) 58.705,66.165 v1(58.705,56.965) ; 59.435,44.295 60.562,45.422 60.562,66.058 v1(60.205,66.415) ; 65.695,62 67.381,63.686 67.381,82.256 68.08,82.955 68.325,82.955 ; 65.695,64.54 66.974,65.819 66.974,82.699 67.73,83.455 74.02,83.455 74.585,82.89 74.585,81.29 ; v1(68.235,81.96) 68.235,82.865 68.325,82.955 ; v1(68.781,65.81) 68.781,53.333 69.484,52.63 v1(69.484,51.59) ; v1(68.905,52.39) 68.202,53.093 68.202,67.187 v1(70.105,69.09) ; v1(70.205,56.59) 69.925,56.87 69.925,64.31 v1(70.705,65.09) ; v1(71.455,57.59) 73.455,57.59 v1(74.205,58.34) ; 73.315,77.24 73.585,77.51 73.585,81.29 ; 73.585,85.89 73.585,92.81 v1(74.225,93.45) ; 74.085,81.29 74.085,82.39 73.52,82.955 68.325,82.955 ; 74.085,85.89 74.085,92.491 75.075,93.481 v1(75.075,93.5) ; 75.085,81.29 75.085,82.11 75.215,82.24 76.925,82.24 76.625,82.54 v1(76.625,85.45) ; v1(75.125,87.25) v1(79.525,87.25) ; 75.855,44.22 77.541,45.906 80.405,45.906 81.005,46.506 v1(81.005,64.19) ; 78.395,44.22 79.674,45.499 80.805,45.499 81.656,46.35 81.656,64.739 v1(81.385,65.01) ; v1(79.205,67.09) 80.205,66.09 v1(80.205,56.89) ; 80.935,44.22 82.062,45.347 82.062,65.983 v1(81.705,66.34)
  Bottom Layer w0.381: v1@6.425,50.945 5.902,51.468 5.902,52.702 5.175,53.429 5.175,65.57 5.199,65.594 5.199,66.126 5.175,66.15 5.175,66.835 v2(6.7,68.36) ; v1@27.775,50.995 27.252,51.518 27.252,52.752 26.525,53.479 26.525,65.62 26.549,65.644 26.549,66.176 26.525,66.2 26.525,66.885 v2(28.05,68.41) ; v1@49.15,50.97 48.627,51.493 48.627,52.727 47.9,53.454 47.9,65.595 47.924,65.619 47.924,66.151 47.9,66.175 47.9,66.86 v2(49.425,68.385) ; v1@70.65,50.895 70.127,51.418 70.127,52.652 69.4,53.379 69.4,65.52 69.424,65.544 69.424,66.076 69.4,66.1 69.4,66.785 v2(70.925,68.31)
  other v1: 75.025,56.05 10.8,56.1 53.525,56.125 32.15,56.15 72.125,88.05 7.9,88.1 50.625,88.125 29.25,88.15 72.075,90.35 7.85,90.4 50.575,90.425 29.2,90.45 75.525,90.95 11.3,91 54.025,91.025 32.65,91.05
  other v2: 72.375,62.845 73.825,62.845 75.275,62.845 76.725,62.845 78.175,62.845 8.15,62.895 9.6,62.895 11.05,62.895 12.5,62.895 13.95,62.895 50.875,62.92 52.325,62.92 53.775,62.92 55.225,62.92 56.675,62.92 29.5,62.945 30.95,62.945 32.4,62.945 33.85,62.945 35.3,62.945 72.375,64.57 73.825,64.57 75.275,64.57 76.725,64.57 78.175,64.57 8.15,64.62 9.6,64.62 11.05,64.62 12.5,64.62 13.95,64.62 50.875,64.645 52.325,64.645 53.775,64.645 55.225,64.645 56.675,64.645 29.5,64.67 30.95,64.67 32.4,64.67 33.85,64.67 35.3,64.67 69.325,91.85 5.1,91.9 47.825,91.925 26.45,91.95 70.025,92.75 5.8,92.8 48.525,92.825 27.15,92.85 69.925,95.2 70.925,95.2 5.7,95.25 6.7,95.25 48.425,95.275 49.425,95.275 27.05,95.3 28.05,95.3

## Polygon pours and split planes (outlines as drawn)
no net on Top Layer "Top Layer-No Net" (solid, pour order 44): 0.225,99.895 0.2,99.87 0.2,43 20.52,43 20.52,99.97 0.225,99.97 0.2,99.945
no net on Top Layer "Top Layer-No Net" (solid, pour order 46): 18.45,96.27 18.075,95.895 18.075,86.545 18.275,86.345 20.25,86.345 20.4,86.495 20.4,95.895 20.375,95.92 20.375,96.02 20.15,96.245 18.5,96.245 18.45,96.295
no net on Top Layer "Top Layer-No Net" (solid, pour order 48): 11.3,96 11.3,93.1 11.2,93 8.4,93 8.3,93.1 8.3,93.4 8.2,93.5 7.5,93.5 7.4,93.4 7.4,92.6 7.5,92.5 9.8,92.5 12.7,92.5 12.8,92.4 12.8,91.6 12.9,91.5 14.6,91.5 14.7,91.6 14.7,92.4 14.8,92.5 16.9,92.5 17,92.6 17,93.8 16.9,93.9 11.8,93.9 11.7,94 11.7,96 11.3,96
no net on Top Layer "Top Layer-No Net" (solid, pour order 68): 32.65,96.05 32.65,93.15 32.55,93.05 29.75,93.05 29.65,93.15 29.65,93.45 29.55,93.55 28.85,93.55 28.75,93.45 28.75,92.65 28.85,92.55 31.15,92.55 34.05,92.55 34.15,92.45 34.15,91.65 34.25,91.55 35.95,91.55 36.05,91.65 36.05,92.45 36.15,92.55 38.25,92.55 38.35,92.65 38.35,93.85 38.25,93.95 33.15,93.95 33.05,94.05 33.05,96.05 32.65,96.05
no net on Top Layer "Top Layer-No Net" (solid, pour order 70): 39.8,96.32 39.425,95.945 39.425,86.595 39.625,86.395 41.6,86.395 41.75,86.545 41.75,95.945 41.725,95.97 41.725,96.07 41.5,96.295 39.85,96.295 39.8,96.345
no net on Top Layer "Top Layer-No Net" (solid, pour order 72): 21.575,99.945 21.55,99.92 21.55,43.05 41.87,43.05 41.87,100.02 21.575,100.02 21.55,99.995
no net on Top Layer "Top Layer-No Net" (solid, pour order 76): 54.025,96.025 54.025,93.125 53.925,93.025 51.125,93.025 51.025,93.125 51.025,93.425 50.925,93.525 50.225,93.525 50.125,93.425 50.125,92.625 50.225,92.525 52.525,92.525 55.425,92.525 55.525,92.425 55.525,91.625 55.625,91.525 57.325,91.525 57.425,91.625 57.425,92.425 57.525,92.525 59.625,92.525 59.725,92.625 59.725,93.825 59.625,93.925 54.525,93.925 54.425,94.025 54.425,96.025 54.025,96.025
no net on Top Layer "Top Layer-No Net" (solid, pour order 78): 61.175,96.295 60.8,95.92 60.8,86.57 61,86.37 62.975,86.37 63.125,86.52 63.125,95.92 63.1,95.945 63.1,96.045 62.875,96.27 61.225,96.27 61.175,96.32
no net on Top Layer "Top Layer-No Net" (solid, pour order 80): 42.95,99.92 42.925,99.895 42.925,43.025 63.245,43.025 63.245,99.995 42.95,99.995 42.925,99.97
no net on Top Layer "Top Layer-No Net" (solid, pour order 84): 75.525,95.95 75.525,93.05 75.425,92.95 72.625,92.95 72.525,93.05 72.525,93.35 72.425,93.45 71.725,93.45 71.625,93.35 71.625,92.55 71.725,92.45 74.025,92.45 76.925,92.45 77.025,92.35 77.025,91.55 77.125,91.45 78.825,91.45 78.925,91.55 78.925,92.35 79.025,92.45 81.125,92.45 81.225,92.55 81.225,93.75 81.125,93.85 76.025,93.85 75.925,93.95 75.925,95.95 75.525,95.95
no net on Top Layer "Top Layer-No Net" (solid, pour order 86): 82.675,96.22 82.3,95.845 82.3,86.495 82.5,86.295 84.475,86.295 84.625,86.445 84.625,95.845 84.6,95.87 84.6,95.97 84.375,96.195 82.725,96.195 82.675,96.245
no net on Top Layer "Top Layer-No Net" (solid, pour order 88): 64.45,99.845 64.425,99.82 64.425,42.95 84.745,42.95 84.745,99.92 64.45,99.92 64.425,99.895
no net on Bottom Layer "Top Layer-No Net" (solid, pour order 50): 0.225,99.895 0.2,99.87 0.2,43 20.52,43 20.52,99.97 0.225,99.97 0.2,99.945
no net on Bottom Layer "Top Layer-No Net" (solid, pour order 74): 21.575,99.945 21.55,99.92 21.55,43.05 41.87,43.05 41.87,100.02 21.575,100.02 21.55,99.995
no net on Bottom Layer "Top Layer-No Net" (solid, pour order 82): 42.95,99.92 42.925,99.895 42.925,43.025 63.245,43.025 63.245,99.995 42.95,99.995 42.925,99.97
no net on Bottom Layer "Top Layer-No Net" (solid, pour order 90): 64.45,99.845 64.425,99.82 64.425,42.95 84.745,42.95 84.745,99.92 64.45,99.92 64.425,99.895

## Keep-outs
Keep-Out Layer:
  lines w0.2: 0,100 20.725,100 20.725,42.795 0,42.795 0,110.4 ; 21.35,42.845 42.075,42.845 42.075,100.05 21.35,100.05 21.35,42.845 ; 42.725,42.82 63.45,42.82 63.45,100.025 42.725,100.025 42.725,42.82 ; 64.225,42.745 84.95,42.745 84.95,99.95 64.225,99.95 64.225,42.745
  lines w0.254: 0,100 0,35.225 84.95,35.225 84.95,110.4 0,110.4
  lines w0.5: -4.7,100.325 99.875,100.325 ; -4.175,42.525 97.425,42.525 ; 21.075,27.1 21.075,115.35 ; 42.425,26.55 42.425,115.15 ; 63.825,26.175 63.825,114.825
  text "V-CUT" at 93.55,101.4 h2
  text "V-CUT" at 91.575,40.125 h2
  text "V-CUT" at 22.275,32.775 h2 r270
  text "V-CUT" at 43.375,31.875 h2 r270
  text "V-CUT" at 64.825,31.625 h2 r270

## Other copper
Top Layer:
  rectangle: 5.7,94.5 8.95,95.75
  rectangle: 27.05,94.55 30.3,95.8
  rectangle: 48.425,94.525 51.675,95.775
  rectangle: 69.925,94.45 73.175,95.7
  pour cut-out: 17.075,84.845 17.075,83.045 17.025,82.995 17.1,82.92 18.475,82.92 18.475,84.845
  pour cut-out: 16.687,66.486 16.687,64.686 16.687,63.795 17.478,63.795 18.087,63.795 18.087,66.486
  pour cut-out: 16.6,48.745 16.6,46.945 16.55,46.895 16.625,46.82 18,46.82 18,48.745
  pour cut-out: 0.275,73.995 20.425,73.995 20.425,67.67 0.275,67.67
  pour cut-out: 0.205,45.545 20.525,45.545 20.525,43.005 0.205,43.005
  pour cut-out: 17.98,85.325 18.6,85.945 20.52,85.945 20.52,45.5 20.48,45.54 17.98,45.54
  pour cut-out: 0.2,86.18 2.232,86.18 2.74,85.672 2.74,45.54 0.2,45.54
  pour cut-out: 4.975,56.745 16.75,56.745 16.75,51.595 5,51.595 5,56.77
  pour cut-out: 26.325,56.795 38.1,56.795 38.1,51.645 26.35,51.645 26.35,56.82
  pour cut-out: 21.55,86.23 23.582,86.23 24.09,85.722 24.09,45.59 21.55,45.59
  pour cut-out: 39.33,85.375 39.95,85.995 41.87,85.995 41.87,45.55 41.83,45.59 39.33,45.59
  pour cut-out: 21.555,45.595 41.875,45.595 41.875,43.055 21.555,43.055
  pour cut-out: 21.625,74.045 41.775,74.045 41.775,67.72 21.625,67.72
  pour cut-out: 37.95,48.795 37.95,46.995 37.9,46.945 37.975,46.87 39.35,46.87 39.35,48.795
  pour cut-out: 38.037,66.536 38.037,64.736 38.037,63.845 38.828,63.845 39.437,63.845 39.437,66.536
  pour cut-out: 38.425,84.895 38.425,83.095 38.375,83.045 38.45,82.97 39.825,82.97 39.825,84.895
  pour cut-out: 47.7,56.77 59.475,56.77 59.475,51.62 47.725,51.62 47.725,56.795
  pour cut-out: 42.925,86.205 44.957,86.205 45.465,85.697 45.465,45.565 42.925,45.565
  pour cut-out: 60.705,85.35 61.325,85.97 63.245,85.97 63.245,45.525 63.205,45.565 60.705,45.565
  pour cut-out: 42.93,45.57 63.25,45.57 63.25,43.03 42.93,43.03
  pour cut-out: 43,74.02 63.15,74.02 63.15,67.695 43,67.695
  pour cut-out: 59.325,48.77 59.325,46.97 59.275,46.92 59.35,46.845 60.725,46.845 60.725,48.77
  pour cut-out: 59.412,66.511 59.412,64.711 59.412,63.82 60.203,63.82 60.812,63.82 60.812,66.511
  pour cut-out: 59.8,84.87 59.8,83.07 59.75,83.02 59.825,82.945 61.2,82.945 61.2,84.87
  pour cut-out: 69.2,56.695 80.975,56.695 80.975,51.545 69.225,51.545 69.225,56.72
  pour cut-out: 64.425,86.13 66.457,86.13 66.965,85.622 66.965,45.49 64.425,45.49
  pour cut-out: 82.205,85.275 82.825,85.895 84.745,85.895 84.745,45.45 84.705,45.49 82.205,45.49
  pour cut-out: 64.43,45.495 84.75,45.495 84.75,42.955 64.43,42.955
  pour cut-out: 64.5,73.945 84.65,73.945 84.65,67.62 64.5,67.62
  pour cut-out: 80.825,48.695 80.825,46.895 80.775,46.845 80.85,46.77 82.225,46.77 82.225,48.695
  pour cut-out: 80.912,66.436 80.912,64.636 80.912,63.745 81.703,63.745 82.312,63.745 82.312,66.436
  pour cut-out: 81.3,84.795 81.3,82.995 81.25,82.945 81.325,82.87 82.7,82.87 82.7,84.795
Bottom Layer:
  rectangle: 3.95,94.75 8.2,95.75
  rectangle: 25.3,94.8 29.55,95.8
  rectangle: 46.675,94.775 50.925,95.775
  rectangle: 68.175,94.7 72.425,95.7
  pour cut-out: 0.2,45.54 20.52,45.54 20.52,43 0.2,43
  pour cut-out: 17.98,85.325 18.6,85.945 20.52,85.945 20.52,45.5 20.48,45.54 17.98,45.54
  pour cut-out: 0.2,86.18 2.232,86.18 2.74,85.672 2.74,45.54 0.2,45.54
  pour cut-out: 4.975,56.745 16.75,56.745 16.75,51.595 5,51.595 5,56.77
  pour cut-out: 26.325,56.795 38.1,56.795 38.1,51.645 26.35,51.645 26.35,56.82
  pour cut-out: 21.55,86.23 23.582,86.23 24.09,85.722 24.09,45.59 21.55,45.59
  pour cut-out: 39.33,85.375 39.95,85.995 41.87,85.995 41.87,45.55 41.83,45.59 39.33,45.59
  pour cut-out: 21.55,45.59 41.87,45.59 41.87,43.05 21.55,43.05
  pour cut-out: 47.7,56.77 59.475,56.77 59.475,51.62 47.725,51.62 47.725,56.795
  pour cut-out: 42.925,86.205 44.957,86.205 45.465,85.697 45.465,45.565 42.925,45.565
  pour cut-out: 60.705,85.35 61.325,85.97 63.245,85.97 63.245,45.525 63.205,45.565 60.705,45.565
  pour cut-out: 42.925,45.565 63.245,45.565 63.245,43.025 42.925,43.025
  pour cut-out: 69.2,56.695 80.975,56.695 80.975,51.545 69.225,51.545 69.225,56.72
  pour cut-out: 64.425,86.13 66.457,86.13 66.965,85.622 66.965,45.49 64.425,45.49
  pour cut-out: 82.205,85.275 82.825,85.895 84.745,85.895 84.745,45.45 84.705,45.49 82.205,45.49
  pour cut-out: 64.425,45.49 84.745,45.49 84.745,42.95 64.425,42.95

## Silkscreen, mask and mechanical layers (free items; w line width, h text height)
Top Overlay:
  text "下载灯" at 24,99.57 h1.52 r270
  text "下载灯" at 45.375,99.545 h1.52 r270
  text "下载灯" at 2.65,99.52 h1.52 r270
  text "下载灯" at 66.875,99.47 h1.52 r270
  text "电源灯" at 35.65,99.395 h1.52 r270
  text "电源灯" at 57.025,99.37 h1.52 r270
  text "电源灯" at 14.3,99.345 h1.52 r270
  text "电源灯" at 78.525,99.295 h1.52 r270
  text "GND" at 24.09,90.802 h1 r270
  text "GND" at 45.465,90.777 h1 r270
  text "GND" at 2.74,90.752 h1 r270
  text "GND" at 66.965,90.702 h1 r270
  text "VIN" at 39.33,89.278 h1 r90
  text "VIN" at 60.705,89.253 h1 r90
  text "VIN" at 17.98,89.228 h1 r90
  text "VIN" at 82.205,89.178 h1 r90
  text "GND" at 24.09,88.262 h1 r270
  text "GND" at 45.465,88.237 h1 r270
  text "GND" at 2.74,88.212 h1 r270
  text "GND" at 66.965,88.162 h1 r270
  text "VIN" at 39.33,86.738 h1 r90
  text "VIN" at 60.705,86.713 h1 r90
  text "VIN" at 17.98,86.688 h1 r90
  text "VIN" at 82.205,86.638 h1 r90
  text "P1.0" at 24.09,85.595 h1 r270
  text "P1.0" at 45.465,85.57 h1 r270
  text "P1.0" at 2.74,85.545 h1 r270
  text "P1.0" at 66.965,85.495 h1 r270
  text "P0.0" at 39.33,84.325 h1 r90
  text "P0.0" at 60.705,84.3 h1 r90
  text "P0.0" at 17.98,84.275 h1 r90
  text "P0.0" at 82.205,84.225 h1 r90
  text "P1.1" at 24.09,83.055 h1 r270
  text "P1.1" at 45.465,83.03 h1 r270
  text "P1.1" at 2.74,83.005 h1 r270
  text "P1.1" at 66.965,82.955 h1 r270
  text "P0.1" at 39.33,81.785 h1 r90
  text "P0.1" at 60.705,81.76 h1 r90
  text "P0.1" at 17.98,81.735 h1 r90
  text "P0.1" at 82.205,81.685 h1 r90
  text "P1.2" at 24.09,80.515 h1 r270
  text "P1.2" at 45.465,80.49 h1 r270
  text "P1.2" at 2.74,80.465 h1 r270
  text "P1.2" at 66.965,80.415 h1 r270
  text "P0.2" at 39.33,79.245 h1 r90
  text "P0.2" at 60.705,79.22 h1 r90
  text "P0.2" at 17.98,79.195 h1 r90
  text "P0.2" at 82.205,79.145 h1 r90
  text "P1.3" at 24.09,77.975 h1 r270
  text "P1.3" at 45.465,77.95 h1 r270
  text "P1.3" at 2.74,77.925 h1 r270
  text "P1.3" at 66.965,77.875 h1 r270
  text "P0.3" at 39.33,76.705 h1 r90
  text "P0.3" at 60.705,76.68 h1 r90
  text "P0.3" at 17.98,76.655 h1 r90
  text "P0.3" at 82.205,76.605 h1 r90
  text "P1.4" at 24.09,75.435 h1 r270
  text "P1.4" at 45.465,75.41 h1 r270
  text "P1.4" at 2.74,75.385 h1 r270
  text "P1.4" at 66.965,75.335 h1 r270
  text "3V3" at 27.646,74.8 h1.5
  text "GND" at 33.488,74.8 h1.5
  text "3V3" at 49.021,74.775 h1.5
  text "GND" at 54.863,74.775 h1.5
  text "3V3" at 6.296,74.75 h1.5
  text "GND" at 12.138,74.75 h1.5
  text "3V3" at 70.521,74.7 h1.5
  text "GND" at 76.363,74.7 h1.5
  text "P0.4" at 39.33,74.165 h1 r90
  text "P0.4" at 60.705,74.14 h1 r90
  text "P0.4" at 17.98,74.115 h1 r90
  text "P0.4" at 82.205,74.065 h1 r90
  text "P1.5" at 24.09,72.895 h1 r270
  text "P1.5" at 45.465,72.87 h1 r270
  text "P1.5" at 2.74,72.845 h1 r270
  text "P1.5" at 66.965,72.795 h1 r270
  text "P0.5" at 39.33,71.625 h1 r90
  text "P0.5" at 60.705,71.6 h1 r90
  text "P0.5" at 17.98,71.575 h1 r90
  text "P0.5" at 82.205,71.525 h1 r90
  text "P1.6" at 24.09,70.355 h1 r270
  text "P1.6" at 45.465,70.33 h1 r270
  text "P1.6" at 2.74,70.305 h1 r270
  text "P1.6" at 66.965,70.255 h1 r270
  text "P0.6" at 39.33,69.085 h1 r90
  text "P0.6" at 60.705,69.06 h1 r90
  text "P0.6" at 17.98,69.035 h1 r90
  text "P0.6" at 82.205,68.985 h1 r90
  text "P1.7" at 24.09,67.815 h1 r270
  text "P1.7" at 45.465,67.79 h1 r270
  text "P1.7" at 2.74,67.765 h1 r270
  text "P1.7" at 66.965,67.715 h1 r270
  text "P0.7" at 39.33,66.545 h1 r90
  text "P0.7" at 60.705,66.52 h1 r90
  text "P0.7" at 17.98,66.495 h1 r90
  text "P0.7" at 82.205,66.445 h1 r90
  text "P30" at 24.09,65.275 h1 r270
  text "P30" at 45.465,65.25 h1 r270
  text "P30" at 2.74,65.225 h1 r270
  text "P30" at 66.965,65.175 h1 r270
  text "P2.7" at 39.33,64.005 h1 r90
  text "P2.7" at 60.705,63.98 h1 r90
  text "P2.7" at 17.98,63.955 h1 r90
  text "P2.7" at 82.205,63.905 h1 r90
  text "P3.1" at 24.09,62.735 h1 r270
  text "P3.1" at 45.465,62.71 h1 r270
  text "P3.1" at 2.74,62.685 h1 r270
  text "P3.1" at 66.965,62.635 h1 r270
  text "P2.6" at 39.33,61.465 h1 r90
  text "P2.6" at 60.705,61.44 h1 r90
  text "P2.6" at 17.98,61.415 h1 r90
  text "P2.6" at 82.205,61.365 h1 r90
  text "P3.2" at 24.09,59.56 h1
  text "P2.5" at 37.425,59.56 h1
  text "P3.2" at 45.465,59.535 h1
  text "P2.5" at 58.8,59.535 h1
  text "P3.2" at 2.74,59.51 h1
  text "P2.5" at 16.075,59.51 h1
  text "P3.2" at 66.965,59.46 h1
  text "P2.5" at 80.3,59.46 h1
  text "P3.3" at 24.09,57.02 h1
  text "P2.4" at 37.425,57.02 h1
  text "P3.3" at 45.465,56.995 h1
  text "P2.4" at 58.8,56.995 h1
  text "P3.3" at 2.74,56.97 h1
  text "P2.4" at 16.075,56.97 h1
  text "P3.3" at 66.965,56.92 h1
  text "P2.4" at 80.3,56.92 h1
  text "P3.4" at 24.09,54.48 h1
  text "P2.3" at 37.425,54.48 h1
  text "P3.4" at 45.465,54.455 h1
  text "P2.3" at 58.8,54.455 h1
  text "P3.4" at 2.74,54.43 h1
  text "P2.3" at 16.075,54.43 h1
  text "P3.4" at 66.965,54.38 h1
  text "P2.3" at 80.3,54.38 h1
  text "P3.5" at 24.09,51.94 h1
  text "P2.2" at 37.425,51.94 h1
  text "P3.5" at 45.465,51.915 h1
  text "P2.2" at 58.8,51.915 h1
  text "P3.5" at 2.74,51.89 h1
  text "P2.2" at 16.075,51.89 h1
  text "P3.5" at 66.965,51.84 h1
  text "P2.2" at 80.3,51.84 h1
  text "5V" at 28.408,51.432 h1.5
  text "GND" at 32.472,51.432 h1.5
  text "5V" at 49.783,51.407 h1.5
  text "GND" at 53.847,51.407 h1.5
  text "5V" at 7.058,51.382 h1.5
  text "GND" at 11.122,51.382 h1.5
  text "5V" at 71.283,51.332 h1.5
  text "GND" at 75.347,51.332 h1.5
  text "P3.6" at 24.09,49.4 h1
  text "P2.1" at 37.425,49.4 h1
  text "P3.6" at 45.465,49.375 h1
  text "P2.1" at 58.8,49.375 h1
  text "P3.6" at 2.74,49.35 h1
  text "P2.1" at 16.075,49.35 h1
  text "P3.6" at 66.965,49.3 h1
  text "P2.1" at 80.3,49.3 h1
  text "P3.7" at 24.09,47.495 h1
  text "P2.0" at 37.425,47.495 h1
  text "P3.7" at 45.465,47.47 h1
  text "P2.0" at 58.8,47.47 h1
  text "P3.7" at 2.74,47.445 h1
  text "P2.0" at 16.075,47.445 h1
  text "P3.7" at 66.965,47.395 h1
  text "P2.0" at 80.3,47.395 h1
  text "P4.7" at 39.33,46.225 h1 r135
  text "P4.7" at 60.705,46.2 h1 r135
  text "P4.7" at 17.98,46.175 h1 r135
  text "P4.7" at 82.205,46.125 h1 r135
  text "P4.0" at 24.725,45.59 h1 r45
  text "P4.1" at 26.63,45.59 h1 r90
  text "P4.2" at 27.9,45.59 h1 r90
  text "P4.3" at 30.44,45.59 h1 r90
  text "P4.4" at 32.98,45.59 h1 r90
  text "P4.5" at 35.52,45.59 h1 r90
  text "P4.6" at 37.425,45.59 h1 r90
  text "P4.0" at 46.1,45.565 h1 r45
  text "P4.1" at 48.005,45.565 h1 r90
  text "P4.2" at 49.275,45.565 h1 r90
  text "P4.3" at 51.815,45.565 h1 r90
  text "P4.4" at 54.355,45.565 h1 r90
  text "P4.5" at 56.895,45.565 h1 r90
  text "P4.6" at 58.8,45.565 h1 r90
  text "P4.0" at 3.375,45.54 h1 r45
  text "P4.1" at 5.28,45.54 h1 r90
  text "P4.2" at 6.55,45.54 h1 r90
  text "P4.3" at 9.09,45.54 h1 r90
  text "P4.4" at 11.63,45.54 h1 r90
  text "P4.5" at 14.17,45.54 h1 r90
  text "P4.6" at 16.075,45.54 h1 r90
  text "P4.0" at 67.6,45.49 h1 r45
  text "P4.1" at 69.505,45.49 h1 r90
  text "P4.2" at 70.775,45.49 h1 r90
  text "P4.3" at 73.315,45.49 h1 r90
  text "P4.4" at 75.855,45.49 h1 r90
  text "P4.5" at 78.395,45.49 h1 r90
  text "P4.6" at 80.3,45.49 h1 r90